# Altium PCB USB2.0HUB.PcbDoc
Units mm, origin at the board's own origin, x right, y up, seen from the top; angles counter-clockwise.
Board outline 100 x 30 mm, 2 copper layers (Top Layer, Bottom Layer), stack 1.4 mm thick; 16 components, 17 nets, 89 pads, 7 vias.
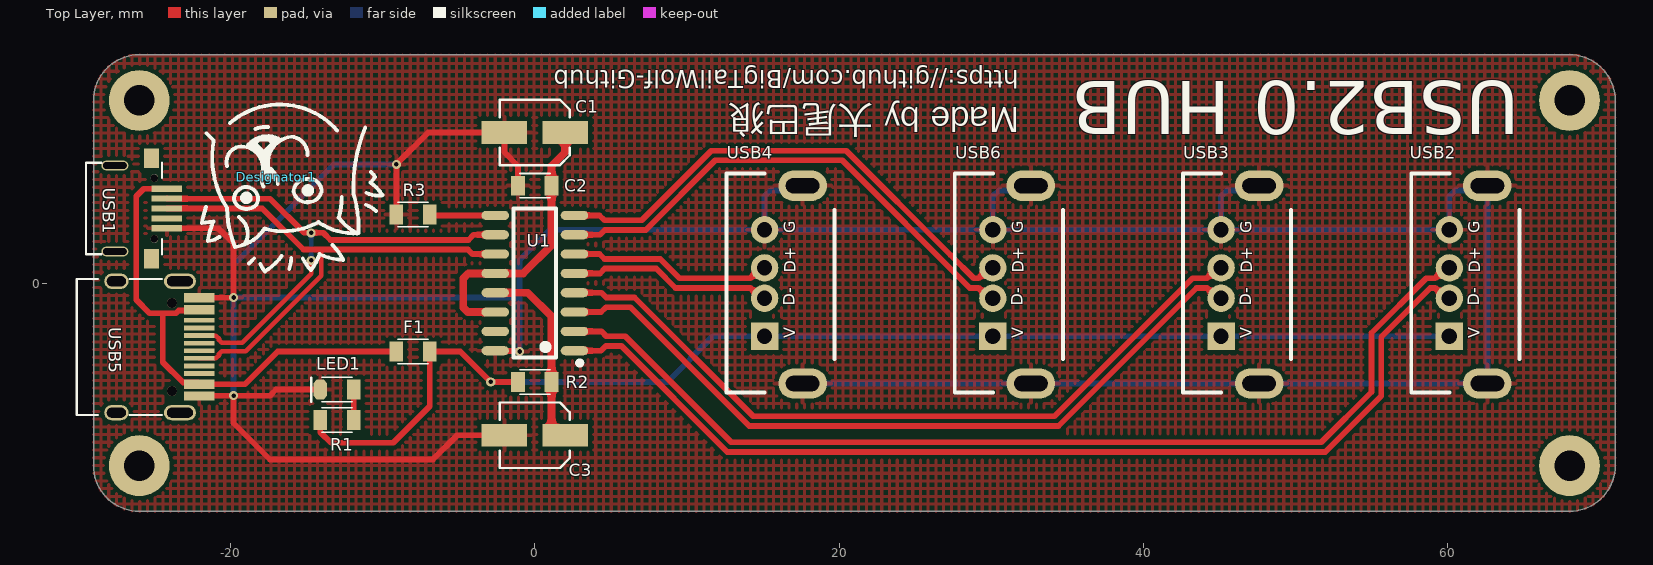
[diagram p0: Top Layer view]
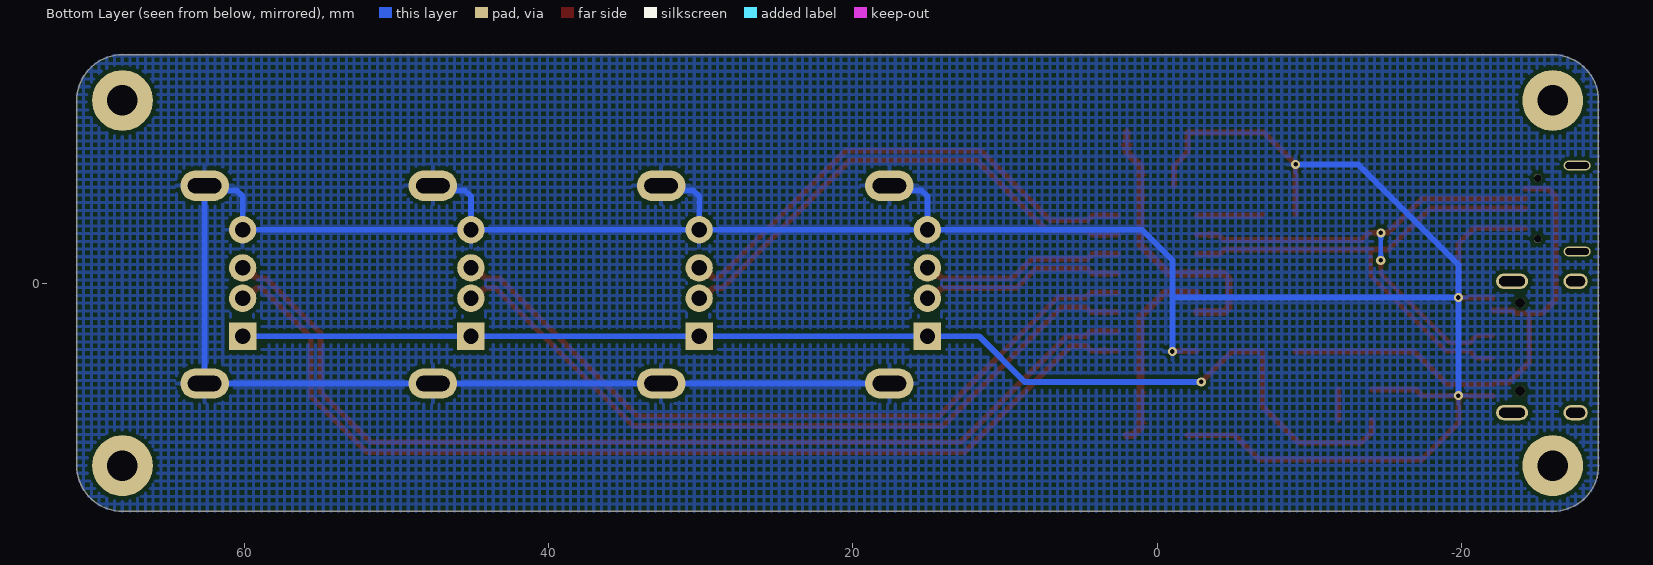
[diagram p1: Bottom Layer view, seen from below]
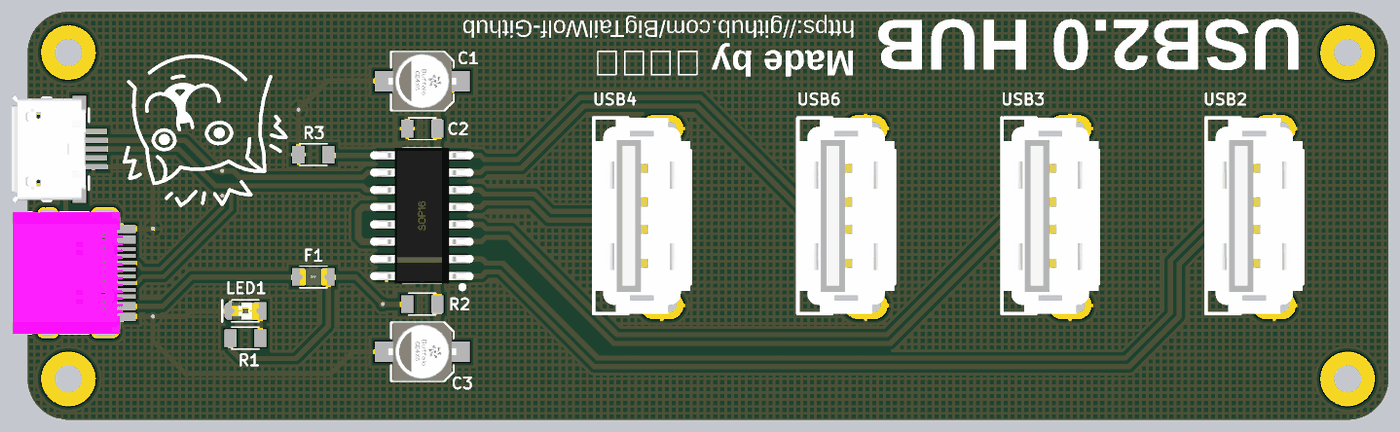
[diagram p2: 3D render of the assembled board from above, using the file's embedded part models]

## Layer stack, top to bottom
Top Solder: solder mask 0.1, Solder Resist, Dk 3.5
Top Layer: signal copper 0.1
Dielectric 1: dielectric 1.2, FR-4, Dk 4.8
Bottom Layer: signal copper 0.1
Bottom Solder: solder mask 0.1, Solder Resist, Dk 3.5

## Board outline
-26,-15 cw(c-26,-12) -29,-12 -29,12 cw(c-26,12) -26,15 68,15 cw(c68,12) 71,12 71,-12 cw(c68,-12) 68,-15

## Design rules (kind name [scope] priority, off if disabled: settings)
Clearance [All] p1: gap=0.152 ignorepadtopadclearanceinfootprint=TRUE except(0.254: Arc-Poly Track-Poly SMDPad-Poly THPad-Poly Via-Poly Fill-Poly Poly-Poly Poly-Region Poly-Text Poly-Hole)
DiffPairsRouting [All] p1: maxlimit=0.254 minlimit=0.254 mostfreqgap=0.254 toplayer_minwidth=0.152 toplayer_maxwidth=0.381 toplayer_prefwidth=0.381 bottomlayer_minwidth=0.152 bottomlayer_maxwidth=0.381 bottomlayer_prefwidth=0.381 maxuncoupledlength=12.7
PolygonConnect [All] p1: connectstyle=Relief reliefconductorwidth=0.254 reliefentries=4 polygonreliefangle="90 Angle" airgapwidth=0.254
RoutingVias [All] p1: holewidth=0.711 width=1.27 viastyle="Through Hole" minholewidth=0.711 minwidth=1.27 maxholewidth=0.711 maxwidth=1.27
SolderMaskExpansion [All] p1: expansion=0.102 istentingtop=FALSE
Width [All] p1: maxlimit=1.27 minlimit=0.254 preferedwidth=0.254
29 further rules are at their usual default settings.

## Classes and differential pairs
component class USB2.0HUB: C1 C2 C3 F1 LED1 R1 R2 R3 U1 USB2 USB3 USB4 USB5 USB6
differential pair D4: +D4_P -D4_N
differential pair D: +D_P -D_N
differential pair D3: +D3_P -D3_N
differential pair D2: +D2_P -D2_N
differential pair D1: +D1_P -D1_N

## Components (designator, comment, footprint, x,y, rotation, side; value= is the part's Value field where it differs from the comment)
C1 "4.7uF" SMD-C-AL-4*5.4 0,9.9 r0 top
C2 "104" SMD-C-0805 0,6.4 r0 top value=XXpF
C3 "4.7uF" SMD-C-AL-4*5.4 0,-10 r0 top
Designator1 "Comment" "MUR cat" -17,7 r180 top
F1 "750mA" SMD-F-0805 -8,-4.5 r0 top
LED1 "SMD-LED_Blue" SMD-LED-0805B -13,-7 r180 top
R1 "680" SMD-R-0805 -13,-9 r180 top value=??K
R2 "4.7R" SMD-R-0805 0,-6.5 r0 top value=??K
R3 "100K" SMD-R-0805 -8,4.5 r0 top value=??K
U1 "HS8836A" SMD-U-SOP-16 0,0 r90 top locked
USB1 "USB Miro" "USB MICRO" -24.5,4.9 r270 top
USB2 "USB-A/S/D" DIP-USB-A/S_D 60.1,-3.5 r90 top locked
USB3 "USB-A/S/D" DIP-USB-A/S_D 45.1,-3.5 r90 top locked
USB4 "USB-A/S/D" DIP-USB-A/S_D 15.1,-3.5 r90 top locked
USB5 "USB" SMD-USB-typeC-12 -26.1,-4.2 r270 top
USB6 "USB-A/S/D" DIP-USB-A/S_D 30.1,-3.5 r90 top locked

## Footprints (in the part's own frame and the unit in brackets; to place one, negate y for a bottom-side part, rotate by r counter-clockwise, add the part's x,y. Pads: shape width x height; smd on the part's side, far side on the other; paste and mask are expansions set on the pad)
DIP-USB-A/S_D [mm] "A型直插母头，"
  rect 1.8x1.8 hole 1: 1(0,0)
  round 1.8 hole 1: 2(2.5,0) 3(4.5,0) 4(7,0)
  oval 2x3.2 hole 2.2 slot 1 at 0 deg: 4(-3.1,-2.5) 4(9.9,-2.5)
  silkscreen extent -3.7,-4.6 10.7,2.5, body extent -3.71,-4.6 10.69,2.5, height 14
"MUR cat" [mm]
  silkscreen extent -6.98,-4.74 4.89,6.24
SMD-C-0805 [mm]
  rect 0.9x1.3 smd: 1(-1.1,0) 2(1.1,0)
  silkscreen extent -1,-0.8 1,0.8, body extent -1,-0.59 1,0.62, height 0.61
SMD-C-AL-4*5.4 [mm] "铝电解"
  rect 3x1.5 smd: 1(2,0) 2(-2,0)
  silkscreen extent -2.3,-2.15 2.3,2.15, body extent -2.5,-2.15 2.5,2.15, height 5.55
SMD-F-0805 [mm]
  rect 0.9x1.3 smd: 1(-1.1,0) 2(1.1,0)
  silkscreen extent -1,-0.8 1,0.8, body extent -1,-0.61 1,0.61, height 0.52
SMD-LED-0805B [mm] "蓝色0805LED"
  rect 0.9x1.3 smd: 1(-1.1,0.002)
  oct 0.9x1.3 smd: 2(1.1,0.002)
  silkscreen extent -1,-0.8 1.7,0.8, body extent -1,-0.63 1,0.63, height 0.8
SMD-R-0805 [mm]
  rect 0.9x1.3 smd: 1(-1.1,0) 2(1.1,0)
  silkscreen extent -1,-0.8 1,0.8, body extent -1,-0.62 1,0.59, height 0.5
SMD-U-SOP-16 [mm]
  oval 0.6x1.8 smd: 1(-4.445,-2.6) 2(-3.175,-2.6) 3(-1.905,-2.6) 4(-0.635,-2.6) 5(0.635,-2.6) 6(1.905,-2.6) 7(3.175,-2.6) 8(4.445,-2.6) 9(4.445,2.6) 10(3.175,2.6) 11(1.905,2.6) 12(0.635,2.6) 13(-0.635,2.6) 14(-1.905,2.6) 15(-3.175,2.6) 16(-4.445,2.6)
  silkscreen extent -5.4,-3.1 4.9,1.4, body extent -5,-3.78 5,3.83, height 1.68
SMD-USB-typeC-12 [mm]
  rect 0.61x2 smd: 1(-3.225,4.044) 2(-2.45,4.044) 11(2.45,4.044) 12(3.225,4.044)
  rect 0.31x2 smd: 3(-1.75,4.044) 4(-1.25,4.044) 5(-0.75,4.044) 6(-0.25,4.044) 7(0.25,4.044) 8(0.75,4.044) 9(1.25,4.044) 10(1.75,4.044)
  oval 1x2.1 hole 0.65 slot 1.7 at 90 deg: ""(-4.32,2.78) ""(4.32,2.78)
  oval 1x1.6 hole 0.65 slot 1.25 at 90 deg: ""(-4.32,-1.4) ""(4.32,-1.4)
  round 0.65 hole 0.65: ""(-2.89,2.25) ""(2.89,2.25)
  silkscreen extent -4.47,-4 4.47,1.58, body extent -4.47,-4 4.47,4.1, height 3.28
"USB MICRO" [mm]
  rect 1.27x1 smd: 0(-3.3,-0.7) 0(3.3,-0.7)
  round 0.5 hole 0.5 mask+0: 0(-2,-0.5) 0(2,-0.5)
  rect 0.4x2 smd mask+0.07: 1(-1.3,0.325) 2(-0.65,0.325) 3(0,0.325) 4(0.65,0.325) 5(1.3,0.325)
  oval 0.635x1.778 hole 0.45 slot 1.55 at 90 deg: 6(-2.825,-3.1) 6(2.825,-3.1)
  silkscreen extent -3,-5 3,0, body extent -3.99,-5.68 3.99,-0.25, height 2.72

## Part data
C1 C3: library part SMD-C-AL-4*5.4
C2: library part SMD-C-0805, "贴片瓷片电容"
F1: library part SMD-F-0805, "保险丝贴片自恢复"
R1 R2 R3: library part SMD-R-0805
U1: library part SMD-IC-HS8836A
USB1: library part "USB MICRO", "USB"
USB2 USB3 USB4 USB6: library part DIP-USB-A/S_D
USB5: library part SMD-TYPEC-12

## Free pads (board coordinates)
  round 4 hole 2: ""(-26,-12) ""(-26,12) ""(68,-12) ""(68,12)

## Via types
v1: diameter 0.6, hole 0.3, Top Layer to Bottom Layer, tented both sides, 7 vias

## Nets (pads, with @x,y where several pads share a name; then routed paths per layer and width w, separated by ;. In a path a pad name is that pad's centre, name@x,y a point inside that pad or via, vN(x,y) a via of type N, cw(c..) or ccw(c..) an arc to the next point about the centre after c; other vN are vias at no path point)
3V3: C1.1 C2.2 U1.12 U1.14 | length 18.6
  Top Layer w0.508: U1.14 -4.402,-1.905 -4.7,-1.607 -4.7,0.3 -4.365,0.635 U1.12 -0.765,0.635 1.1,2.5 C2.2 1.1,7.7 2,8.6 C1.1
D1_N: U1.1 USB2.2 | length 67.5
  Top Layer w0.381: U1.1 4.355,-4.445 4.673,-4.127 5.675,-4.127 12.648,-11.1 51.94,-11.1 55.62,-7.42 55.62,-3.549 58.852,-0.318 59.167,-0.318 59.85,-1 USB2.2
D1_P: U1.2 USB2.3 | length 67.5
  Top Layer w0.381: U1.2 4.375,-3.175 4.692,-3.492 5.938,-3.492 12.911,-10.465 51.677,-10.465 54.985,-7.157 54.985,-3.286 58.589,0.318 59.167,0.318 59.85,1 USB2.3
D2_N: U1.3 USB3.2 | length 49.9
  Top Layer w0.381: U1.3 4.355,-1.905 4.673,-1.587 6.287,-1.587 14.086,-9.386 34.412,-9.386 43.481,-0.318 44.167,-0.318 44.85,-1 USB3.2
D2_P: U1.4 USB3.3 | length 49.9
  Top Layer w0.381: U1.4 4.375,-0.635 4.692,-0.952 6.551,-0.952 14.349,-8.751 34.149,-8.751 43.218,0.318 44.167,0.318 44.85,1 USB3.3
D3_N: U1.5 USB4.2 | length 13.4
  Top Layer w0.381: U1.5 4.275,0.635 4.593,0.953 7.978,0.953 9.248,-0.318 14.167,-0.318 14.85,-1 USB4.2
D3_P: U1.6 USB4.3 | length 13.4
  Top Layer w0.381: U1.6 4.255,1.905 4.572,1.588 8.241,1.588 9.511,0.318 14.167,0.318 14.85,1 USB4.3
D4_N: U1.7 USB6.2 | length 33.3
  Top Layer w0.381: U1.7 4.275,3.175 4.593,3.493 7.291,3.493 11.863,8.065 20.206,8.065 28.589,-0.318 29.167,-0.318 29.85,-1 USB6.2
D4_P: U1.8 USB6.3 | length 33.3
  Top Layer w0.381: U1.8 4.255,4.445 4.572,4.128 7.028,4.128 11.6,8.7 20.469,8.7 27.325,1.844 28.852,0.318 29.167,0.318 29.85,1 USB6.3
D_N: U1.10 USB1.2 USB5.5 | length 35
  Top Layer w0.305: USB5.5 -22.054,-3.453 -20.968,-3.453 -20.752,-3.669 -20.752,-3.742 -20.573,-3.921 -19.221,-3.921 -14.695,0.605 v1(-14.695,1.486)
  Top Layer w0.381: USB1.2 -24.167,5.542 -17.403,5.542 -15.16,3.3 -13.9,3.3 -13.435,2.835 -4.365,2.835 -4.025,3.175 U1.10
  Bottom Layer w0.305: v1(-14.7,3.3) -14.7,1.491 v1(-14.695,1.486)
D_P: U1.11 USB1.3 USB5.8 | length 34.9
  Top Layer w0.305: USB5.8 -22.054,-4.947 -20.968,-4.947 -20.752,-4.731 -20.752,-4.658 -20.573,-4.479 -18.989,-4.479 -14.041,0.469 -14.041,2.159 -14,2.2
  Top Layer w0.381: USB1.3 -24.167,4.907 -17.907,4.907 -15.2,2.2 -14,2.2 -4.4,2.2 -4.105,1.905 U1.11
GND: C1.2 C2.1 C3.2 LED1.2 R3.1 U1.16 USB1.5 USB2.4 USB3.4 USB4.4 USB5.1 USB5.12 USB6.4 | length 243.5
  Top Layer w0.381: USB1.5 -20.8,3.6 -19.796,2.596 v1(-19.796,-0.949) -19.809,-0.962 -22.043,-0.962 USB5.1 ; USB5.12 -22.044,-7.412 -19.812,-7.412 v1(-19.8,-7.4) ; LED1.2 -17.002,-7.002 -17.4,-7.4 v1(-19.8,-7.4) ; R3.1 v1(-9.1,7.8) -7,9.9 C1.2 -2,8.6 -1.1,7.7 C2.1 ; U1.16 -2.572,-4.472 -1.028,-4.472 v1(-1,-4.5) ; C3.2 -5.1,-10 -6.7,-11.6 -17.4,-11.6 -19.8,-9.2 v1(-19.8,-7.4)
  Bottom Layer w0.381: v1(-19.8,-7.4) -19.8,-0.953 v1(-19.796,-0.949) ; v1(-9.1,7.8) -13.2,7.8 -19.796,1.204 v1(-19.796,-0.949) ; v1(-1,-4.5) -1,-0.949 ; USB4.4@17.6,-6.6 32.6,-6.6 47.6,-6.6 62.6,-6.6 62.6,6.4 62.29,6.09 60.49,6.09 60.1,5.7 60.1,3.5 USB3.4@45.1,3.5 ; USB4.4@17.6,6.4 17.29,6.09 15.49,6.09 15.1,5.7 USB4.4@15.1,3.5 ; USB6.4@32.6,6.4 32.29,6.09 30.49,6.09 30.1,5.7 USB6.4@30.1,3.5 ; USB3.4@47.6,6.4 47.29,6.09 45.49,6.09 45.1,5.7 USB3.4@45.1,3.5 ; v1(-19.796,-0.949) -1,-0.949 ; -1,-0.949 -1,1.5 1,3.5 USB4.4@15.1,3.5 ; USB4.4@15.1,3.5 USB6.4@30.1,3.5 ; USB6.4@30.1,3.5 USB3.4@45.1,3.5
NetC3_1: C3.1 R2.2 U1.13 | length 12.8
  Top Layer w0.508: U1.13 -0.465,-0.635 1.1,-2.2 R2.2 1.1,-9.504 1.596,-10 C3.1
NetLED1_1: LED1.1 R1.1 | length 2
  Top Layer w0.381: R1.1 LED1.1
NetR3_2: R3.2 U1.9 | length 4.3
  Top Layer w0.381: R3.2 -6.845,4.445 U1.9
VCC: F1.2 R1.2 R2.1 USB2.1 USB3.1 USB4.1 USB6.1 | length 83.8
  Top Layer w0.381: R1.2 -14.1,-9.8 -13.4,-10.5 -9.3,-10.5 -6.9,-8.1 F1.2 -4.9,-4.5 v1(-2.9,-6.5) R2.1
  Bottom Layer w0.381: v1(-2.9,-6.5) 8.7,-6.5 11.7,-3.5 USB4.1 USB6.1 USB3.1 USB2.1
VUSB: F1.1 USB1.1 USB5.2 USB5.11 | length 33.7
  Top Layer w0.381: USB1.1 -25.7,6.2 -26.2,5.7 -26.2,-1.1 -25.322,-1.978 -24.448,-1.978 ; USB5.2 -22.106,-1.8 -23.395,-1.8 -23.573,-1.978 -24.448,-1.978 ; F1.1 -16.9,-4.5 -19.05,-6.65 USB5.11 -22.171,-6.535 -23.111,-6.535 -24.448,-5.199 -24.448,-1.978
pads on no net: U1.15 USB1.0 USB1.4 USB1.6 USB5. USB5.3 USB5.4 USB5.6 USB5.7 USB5.9 USB5.10

## Polygon pours and split planes (outlines as drawn)
GND on Top Layer "Top Layer-No Net 1" (hatched 90Degree grid 0.508 track 0.203, remove dead copper, pour order 1): -29,-12 -29,12 cw(c-26,12) -26,15 68,15 cw(c68,12) 71,12 71,-12 cw(c68,-12) 68,-15 -26,-15 cw(c-26,-12)
GND on Bottom Layer "Top Layer-No Net 1" (hatched 90Degree grid 0.508 track 0.203, remove dead copper, pour order 0): -29,-12 -29,12 cw(c-26,12) -26,15 68,15 cw(c68,12) 71,12 71,-12 cw(c68,-12) 68,-15 -26,-15 cw(c-26,-12)

## Silkscreen, mask and mechanical layers (free items; w line width, h text height)
Top Overlay:
  text "USB2.0 HUB" at 64.7,14.4 h6 r180
  text "https://github.com/BigTailWolf-Github" at 31.8,14.375 h2 r180
  text "Made by 大尾巴狼" at 31.825,12.15 h3 r180
Mechanical 1:
  the board outline again, w0.254
Mechanical 3 (Mech3):
  lines w0.127: -34.9,0 71.35,0 ; 14,0 18,0 ; 16,-2 16,2 ; 29,0 33,0 ; 31,-2 31,2 ; 44,0 48,0 ; 46,-2 46,2 ; 59,0 63,0 ; 61,-2 61,2 ; 12.945,-6.64 12.952,6.519 19.401,6.499 19.394,-6.644 12.945,-6.64 ; 27.945,-6.64 27.952,6.519 34.401,6.499 34.394,-6.644 27.945,-6.64 ; 42.945,-6.64 42.952,6.519 49.401,6.499 49.394,-6.644 42.945,-6.64 ; 57.945,-6.64 57.952,6.519 64.401,6.499 64.394,-6.644 57.945,-6.64
  lines w0.381: -23,-8 -21.6,-8 ; -22.5,7.8 -21.6,7.8

## Text inside footprints (layer, text, board x,y; h text height)
USB2: Top Overlay "D-" at 62.081,-1.504 h0.76 r90; Top Overlay "D+" at 62.132,0.681 h0.76 r90; Top Overlay "G" at 62.107,3.271 h0.76 r90; Top Overlay "V" at 62.107,-3.612 h0.76 r90
USB3: Top Overlay "V" at 47.107,-3.612 h0.76 r90; Top Overlay "G" at 47.107,3.271 h0.76 r90; Top Overlay "D+" at 47.132,0.681 h0.76 r90; Top Overlay "D-" at 47.081,-1.504 h0.76 r90
USB4: Top Overlay "D-" at 17.081,-1.504 h0.76 r90; Top Overlay "D+" at 17.132,0.681 h0.76 r90; Top Overlay "G" at 17.107,3.271 h0.76 r90; Top Overlay "V" at 17.107,-3.612 h0.76 r90
USB6: Top Overlay "V" at 32.107,-3.612 h0.76 r90; Top Overlay "G" at 32.107,3.271 h0.76 r90; Top Overlay "D+" at 32.132,0.681 h0.76 r90; Top Overlay "D-" at 32.081,-1.504 h0.76 r90